# Altium PCB TIDA-01349_PCB.PcbDoc (part 1 of 2) (continued)
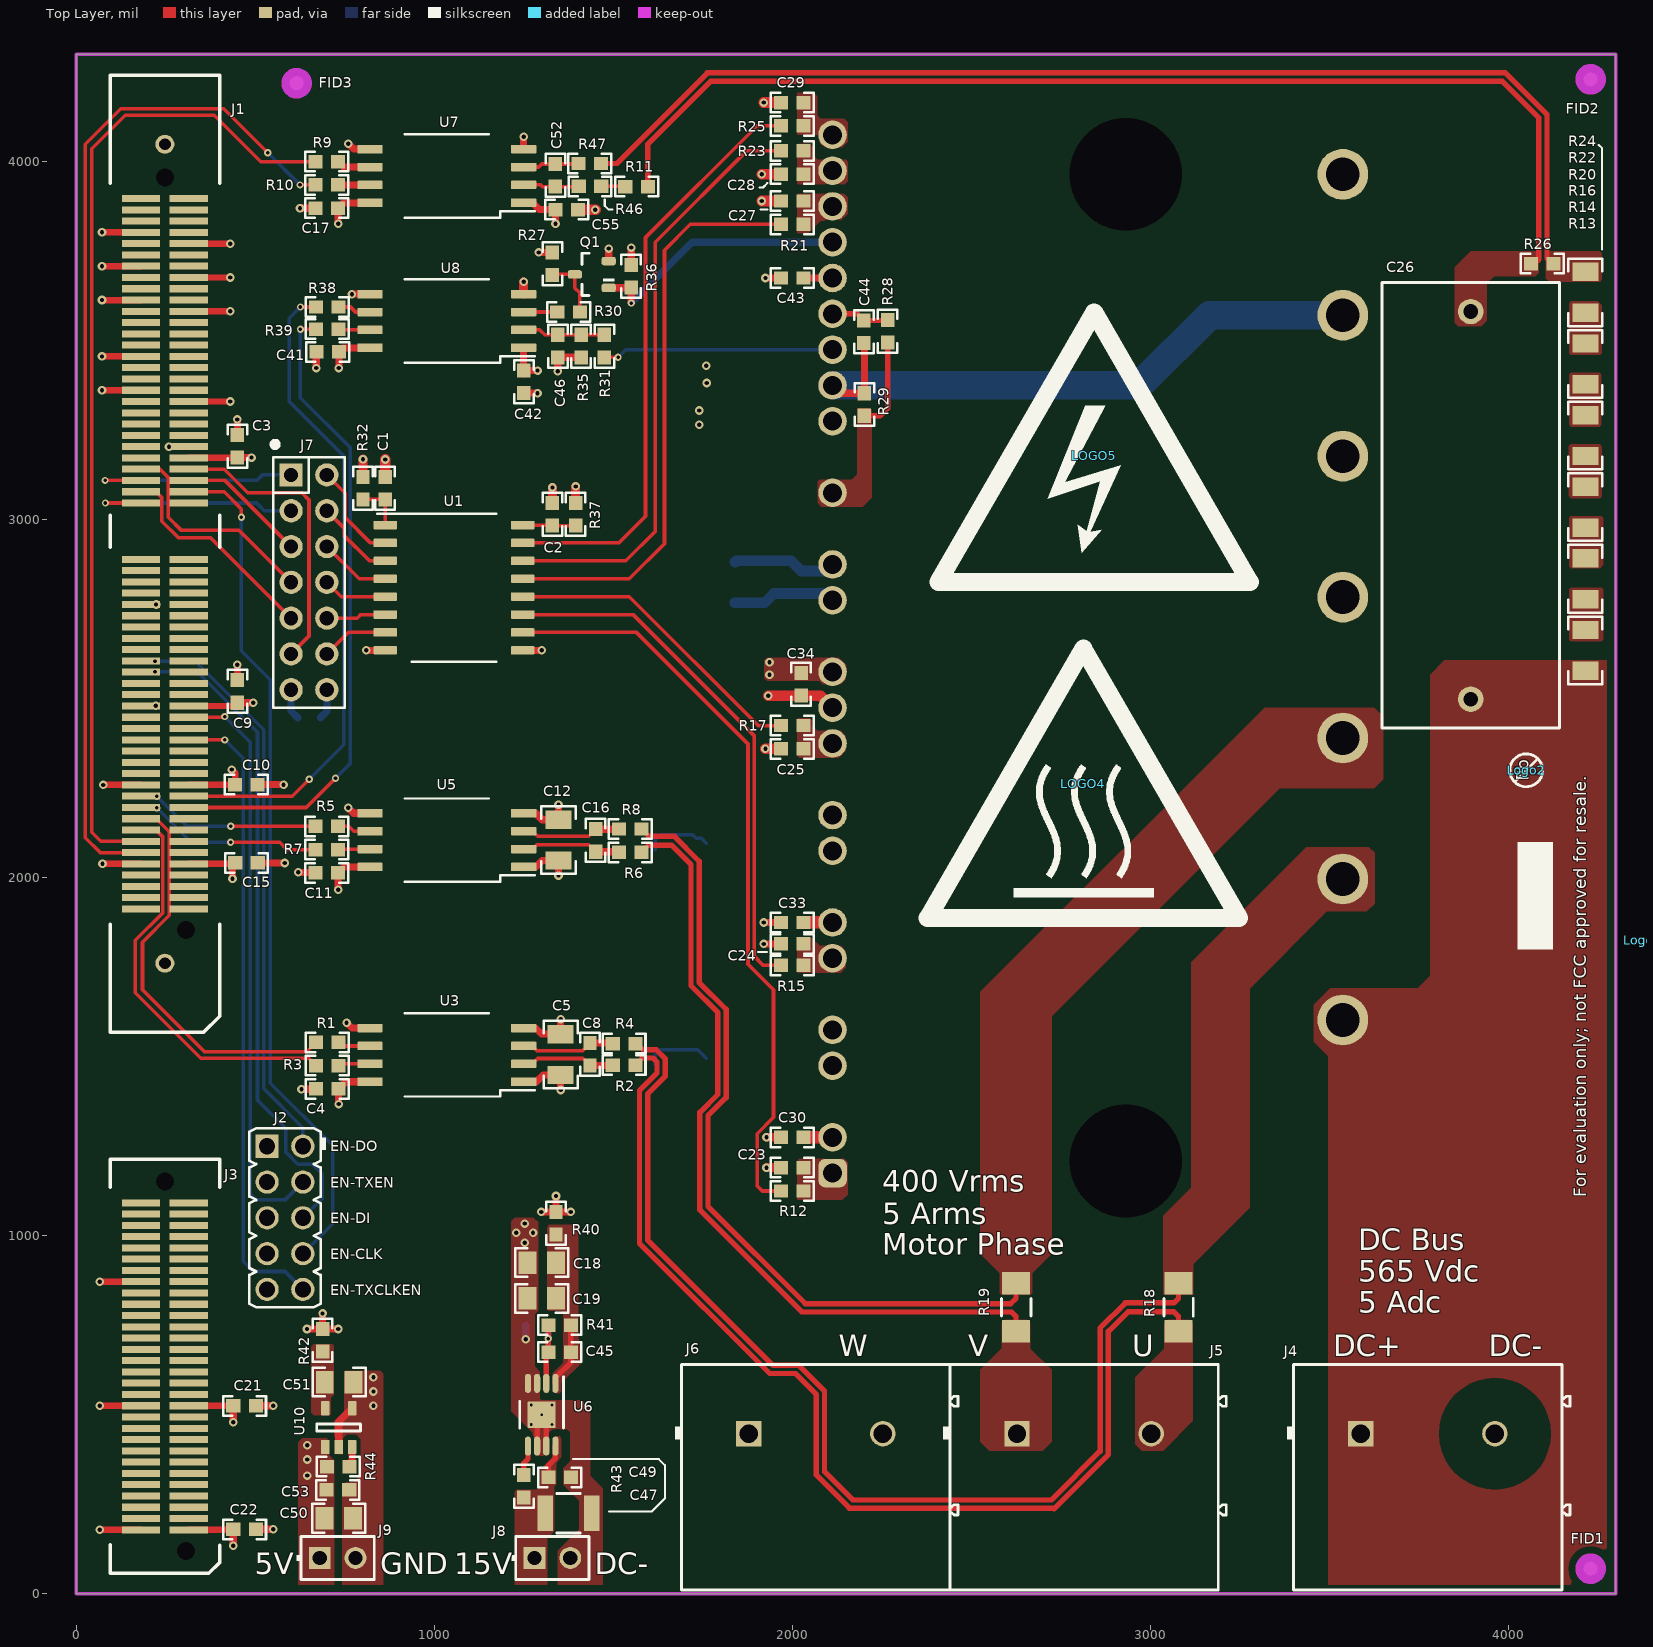
[diagram p0: Top Layer view]
## Classes and differential pairs
component class Header: J2 J7 J8 J9
component class TIDA-01349_EVM_Hardware: FID1 FID2 FID3 FID4 FID5 FID6 Logo2 Logo3 LOGO4 LOGO5 ZZ1 ZZ2 ZZ3 ZZ4
component class FiducialMark: FID1 FID2 FID3 FID4 FID5 FID6
component class AssemblyNote: ZZ1 ZZ2 ZZ3 ZZ4
component class TIDA-01349_MCU_Supply_PWM_Temp: C1 C2 C3 C9 C10 C15 C18 C19 C21 C22 C41 C42 C45 C46 C47 C49 C50 C51 C53 C56 J1 J2 J3 J7 J8 J9 Q1 R27 R30 R31 R32 R35 R36 R37 R38 R39 R40 R41 R42 R43 R44 R45 U1 U6 U8 U10
component class TIDA-01349_Inverter_VISense: C4 C5 C6 C7 C8 C11 C12 C13 C14 C16 C17 C23 C24 C25 C26 C27 C28 C29 C30 C31 C32 C33 C34 C35 C36 C37 C38 C39 C40 C43 C44 C52 C55 D1 D2 D3 D4 J4 J5 J6 R1 R2 R3 R4 R5 R6 R7 R8 R9 R10 R11 R12 R13 R14 R15 R16 R17 R18 R19 R20 R21 R22 R23 R24 R25 R26 R28 R29 R46 R47 U2 U3 U4 U5 U7 U9
net class DC_BUS_NEG: 5V_ISO DC- FAULT MOD_TEMP NetC2_1 NetC18_1 NetC23_1 NetC24_1 NetC25_1 NetC27_1 NetC28_1 NetC29_1 NetC43_2 NetC44_1 NetC45_2 NetC46_1 NetC52_1 NetC52_2 NetQ1_3 NetR11_2 NetR28_2 NetR30_1 P15V PWM_U_B_IPM PWM_U_T_IPM PWM_V_B_IPM PWM_V_T_IPM PWM_W_B_IPM PWM_W_T_IPM V_DC_bus
net class PHASE_U: 5V_PH_U GND_UT I_PH_U NetC8_1 NetC8_2 PH_U VCC_PH_U
net class PHASE_V: 5V_PH_V GND_VT I_PH_V NetC16_1 NetC16_2 PH_V VCC_PH_V
net class DC_BUS_POS: DC+
net class PHASE_W: NetC31_1 NetC31_2 PH_W
net class PWR: 3V3 5V 5V_ISO 5V_PH_U 5V_PH_V DC+ DC- GND GND_UT GND_VT I_PH_U P15V

## Components (designator, comment, footprint, x,y, rotation, side; value= is the part's Value field where it differs from the comment)
C1 "C0603C104K5RACTU" 0603 863,3088 r90 top value=0.1uF
C2 "C0603C104K5RACTU" 0603 1330,3015 r90 top value=0.1uF
C3 "C0603C104K5RACTU" 0603 450,3205 r90 top value=0.1uF
C4 "C0603C104K5RACTU" 0603 701.3,1410 r180 top value=0.1uF
C5 "C1206C104K5RACTU" 1206 1353,1506 r270 top value=0.1uF
C6 "C2012X7R1E475K125AB" 0805_HV 1535,1525 r90 bottom value=4.7uF
C7 "C0603C104K5RACTU" 0603 1760,1525 r270 bottom value=0.1uF
C8 "C0603C472K5RACTU" 0603 1435,1506.5 r90 top value=4700pF
C9 "C0603C104K5RACTU" 0603 450,2520.28 r90 top value=0.1uF
C10 "C0603C104K5RACTU" 0603 475,2260 r0 top value=0.1uF
C11 "C0603C104K5RACTU" 0603 700,2013.54 r180 top value=0.1uF
C12 "C1206C104K5RACTU" 1206 1347,2105 r270 top value=0.1uF
C13 "C2012X7R1E475K125AB" 0805_HV 1535,2127.68 r90 bottom value=4.7uF
C14 "C0603C104K5RACTU" 0603 1760,2127.68 r270 bottom value=0.1uF
C15 "C0603C104K5RACTU" 0603 475.49,2041.39 r0 top value=0.1uF
C16 "C0603C472K5RACTU" 0603 1451,2104 r90 top value=4700pF
C17 "C0603C104K5RACTU" 0603 700,3870 r180 top value=0.1uF
C18 "C2012X7R1E475K125AB" 0805_HV 1300,925 r180 top value=4.7uF
C19 "C2012X7R1E475K125AB" 0805_HV 1300,825 r180 top value=4.7uF
C21 "C0603C104K5RACTU" 0603 470,525 r0 top value=0.1uF
C22 "C0603C104K5RACTU" 0603 470,180 r0 top value=0.1uF
C23 "C0603C102J5GACTU" 0603 2000,1190 r180 top value=1000pF
C24 "C0603C102J5GACTU" 0603 2000,1815 r180 top value=1000pF
C25 "C0603C102J5GACTU" 0603 2000,2360 r180 top value=1000pF
C26 "B32774D0205K000" B32774_3150x2150x1250 3895,3040 r90 top value=2uF
C27 "C0603C102J5GACTU" 0603 2000,3890 r180 top value=1000pF
C28 "C0603C102J5GACTU" 0603 2000,3965 r180 top value=1000pF
C29 "C0603C102J5GACTU" 0603 2000,4165 r180 top value=1000pF
C30 "C0603C104K5RACTU" 0603 2000,1275 r180 top value=0.1uF
C31 "UMK316B7225KL-T" 1206 1840,2825 r90 bottom value=2.2uF
C32 "C0603C104K5RACTU" 0603 2025,2825 r90 bottom value=0.1uF
C33 "C0603C104K5RACTU" 0603 2000,1875 r180 top value=0.1uF
C34 "C0603C104K5RACTU" 0603 2025,2540 r90 top value=0.1uF
C35 "UMK316B7225KL-T" 1206 1846,2133.68 r90 bottom value=2.2uF
C36 "C0603C104K5RACTU" 0603 2025,2127.69 r90 bottom value=0.1uF
C37 "UMK316B7225KL-T" 1206 1840,3340 r90 bottom value=2.2uF
C38 "C0603C104K5RACTU" 0603 2025,3325 r90 bottom value=0.1uF
C39 "UMK316B7225KL-T" 1206 1846,1531 r90 bottom value=2.2uF
C40 "C0603C104K5RACTU" 0603 2025,1525 r90 bottom value=0.1uF
C41 "C0603C104K5RACTU" 0603 702,3469 r180 top value=0.1uF
C42 "C0603C104K5RACTU" 0603 1250,3385 r270 top value=0.1uF
C43 "C0603C223K5RACTU" 0603 2000,3675 r0 top value=0.022uF
C44 "C0603C181J5GACTU" 0603 2200,3525 r270 top value=180pF
C45 "GRM188R71H103KA01D" 0603 1350,675 r180 top value=0.01uF
C46 "C0603C104K5RACTU" 0603 1345,3485 r270 top value=0.1uF
C47 "C3225X7R1H106M250AC" 1210_280 1375,225 r0 top value=10uF
C49 "C0603C104K5RACTU" 0603 1350,325 r0 top value=0.1uF
C50 "C2012X7R1E475K125AB" 0805_HV 733,211 r0 top value=4.7uF
C51 "C2012X7R1E475K125AB" 0805_HV 734,591 r0 top value=4.7uF
C52 "C0603C472K5RACTU" 0603 1338,3962 r90 top value=4700pF
C53 "C0603C104K5RACTU" 0603 731,290 r0 top value=0.1uF
C55 "C0603C104K5RACTU" 0603 1370,3866 r180 top value=0.1uF
C56 "C0603C104K5RACTU" 0603 650.3,2446.69 r180 bottom value=0.1uF
D1 "DFLZ20-7" PowerDI123 1940,2835 r90 bottom value=20V
D2 "DFLZ20-7" PowerDI123 1947,2145.69 r90 bottom value=20V
D3 "DFLZ20-7" PowerDI123 1940,3355 r90 bottom value=20V
D4 "DFLZ20-7" PowerDI123 1947,1543 r90 bottom value=20V
FID1 "Fiducial" Fiducial10-20 4230,70 r0 top
FID2 "Fiducial" Fiducial10-20 4230,4230 r0 top
FID3 "Fiducial" Fiducial10-20 615.68,4219 r0 top
FID4 "Fiducial" Fiducial10-20 4230,70 r90 bottom
FID5 "Fiducial" Fiducial10-20 4230,4230 r90 bottom
FID6 "Fiducial" Fiducial10-20 615.68,4219 r90 bottom
J1 "HSEC8-160-01-L-DV-A-BL" controlCARD-120HSEC 246.82,2977.39 r270 top
J2 "61301021121" WURTH_61301021121 582.98,1050 r270 top
J3 "HSEC8-130-01-L-DV-A" controlCARD-180HSEC-60pinAddon 247.69,635.33 r270 top
J4 "1902547" Phoenix_1902547 3775,325 r0 top
J5 "1902547" Phoenix_1902547 2815,325 r0 top
J6 "1902547" Phoenix_1902547 2065.39,325 r0 top
J7 "PEC07DAAN" CONN_PEC07DAAN 650,2825 r270 top
J8 "PEC01DAAN" Sullins_PxC01DAAN 1330,100 r0 top
J9 "PEC01DAAN" Sullins_PxC01DAAN 730,100 r0 top
Logo2 "Pb-Free Symbol" Pb-Free_Overlay_Small 4050,2300 r90 top
Logo3 "FCC disclaimer" FCC_disclaimer 4375,1825 r90 top
LOGO4 "CAUTION HOT SURFACE" IEC_HotSurface_Large 2813,2262 r0 top
LOGO5 "DANGER HIGH VOLTAGE" IEC_HighVoltage_Large 2843,3178 r0 top
Q1 "MGSF1N02LT1G" SOT-23 1440,3685 r180 top value=20V
R1 "RC0603FR-0722RL" 0603 701.3,1540 r180 top value=22.0
R2 "RC0603FR-0722RL" 0603 1530,1476.5 r180 top value=22.0
R3 "RC0603FR-0722RL" 0603 701.3,1475 r180 top value=22.0
R4 "RC0603FR-0722RL" 0603 1530,1536.5 r180 top value=22.0
R5 "RC0603FR-0722RL" 0603 700,2143.54 r180 top value=22.0
R6 "RC0603FR-0722RL" 0603 1547.5,2071 r180 top value=22.0
R7 "RC0603FR-0722RL" 0603 700,2078.54 r180 top value=22.0
R8 "RC0603FR-0722RL" 0603 1547.5,2136 r180 top value=22.0
R9 "RC0603FR-0722RL" 0603 700,4000 r180 top value=22.0
R10 "RC0603FR-0722RL" 0603 700,3935 r180 top value=22.0
R11 "CRCW0603187RFKEA" 0603 1565,3930 r180 top value=187
R12 "CRCW0603100RFKEA" 0603 2000,1125 r0 top value=100
R13 "CRCW1206100KFKEA" 1206 4215,2635 r270 top value=100k
R14 "CRCW1206100KFKEA" 1206 4215,2835 r270 top value=100k
R15 "CRCW0603100RFKEA" 0603 2000,1755 r0 top value=100
R16 "CRCW1206100KFKEA" 1206 4215,3035 r270 top value=100k
R17 "CRCW0603100RFKEA" 0603 2000,2425 r0 top value=100
R18 "CSNL1206FT5L00" CSNL1206 3078.74,800 r270 top value=0.005
R19 "CSNL1206FT5L00" CSNL1206 2625,800 r270 top value=0.005
R20 "CRCW1206100KFKEA" 1206 4215,3235 r270 top value=100k
R21 "CRCW0603100RFKEA" 0603 2000,3825 r0 top value=100
R22 "CRCW1206100KFKEA" 1206 4215,3435 r270 top value=100k
R23 "CRCW0603100RFKEA" 0603 2000,4030 r0 top value=100
R24 "CRCW1206100KFKEA" 1206 4215,3635 r270 top value=100k
R25 "CRCW0603100RFKEA" 0603 2000,4100 r0 top value=100
R26 "CRCW0603187RFKEA" 0603 4095,3715 r0 top value=187
R27 "CRCW060310K0FKEA" 0603 1330,3715 r270 top value=10.0k
R28 "CRCW060310K0FKEA" 0603 2266.3,3526.69 r270 top value=10.0k
R29 "CRCW0603100RFKEA" 0603 2201.3,3321.69 r90 top value=100
R30 "CRCW06030000Z0EA" 0603 1375,3580 r0 top value=0
R31 "RC0603FR-074K42L" 0603 1475,3485 r270 top value=4.42k
R32 "CRCW06030000Z0EA" 0603 801,3088 r90 top value=0
R35 "CRCW0603402RFKEA" 0603 1410,3485 r90 top value=402
R36 "CRCW060310K0FKEA" 0603 1550,3680 r90 top value=10.0k
R37 "CRCW06030000Z0EA" 0603 1395,3015 r90 top value=0
R38 "RC0603FR-0722RL" 0603 701,3594 r180 top value=22.0
R39 "RC0603FR-0722RL" 0603 701,3532 r180 top value=22.0
R40 "CRCW06030000Z0EA" 0603 1340,1035 r90 top value=0
R41 "RC0603FR-0732K4L" 0603 1350,750 r0 top value=32.4k
R42 "CRCW06030000Z0EA" 0603 688,708 r90 top value=0
R43 "CRCW060310K0FKEA" 0603 1250,300 r270 top value=10.0k
R44 "CRCW060310K0FKEA" 0603 732,355 r180 top value=10.0k
R45 "CRCW060310K0FKEA" 0603 1287.01,750 r0 bottom value=10.0k
R46 "RC0603FR-0722RL" 0603 1435,3931 r180 top value=22.0
R47 "RC0603FR-0722RL" 0603 1434,3995 r180 top value=22.0
U1 "ISO7760FDWR" DW0016B_HV 1055,2810 r0 top
U2 "TLV76050DBZR" DBZ0003A_N 1655,1525 r90 bottom
U3 "AMC1303M0520DWVR" DWV0008A 1035,1505 r180 top
U4 "TLV76050DBZR" DBZ0003A_N 1655,2125.69 r90 bottom
U5 "AMC1303M0520DWVR" DWV0008A 1035,2105 r180 top
U6 "TPS7A4201DGNR" DGN0008B_N 1300,500 r270 top
U7 "AMC1303M2520DWVR" DWV0008A 1035,3960 r180 top
U8 "AMC1303M2520DWVR" DWV0008A 1035,3555 r180 top
U9 "PSS15SA2FT" PSS15SA2FT 2825,2625 r0 bottom
U10 "TPS70633DBVR" DBV0005A_N 733,464 r90 top
ZZ1 "This Assembly Note is for PCB labels only" AssemblyNoteLabel 260,6638 r0 top
ZZ2 "These assemblies are ESD sensitive, ESD precautions shall be observed." AssemblyNote 260,6529.11 r0 top
ZZ3 "These assemblies must be clean and free from flux and all contaminants. Use of no clean flux is not acceptable." AssemblyNote 260,6440.56 r0 top
ZZ4 "These assemblies must comply with workmanship standards IPC-A-610 Class 2, unless otherwise specified." AssemblyNote 260,6352 r0 top

## Footprints (in the part's own frame and the unit in brackets; to place one, negate y for a bottom-side part, rotate by r counter-clockwise, add the part's x,y. Pads: shape width x height; smd on the part's side, far side on the other; paste and mask are expansions set on the pad)
0603 [mm] "0603 from SM-752 data"
  rect 1x0.95 smd: 1(-0.8,0) 2(0.8,0)
  silkscreen extent -1.52,-0.69 1.52,0.69, body extent -0.87,-0.47 0.87,0.47, height 1
0805_HV [mil] "0805 with 30mil clearance between pads"
  rect 50x63 smd: 1(-40,0) 2(40,0)
  silkscreen extent -74,-40 74,40, body extent -43,-29 43,29, height 57
1206 [mm] "1206 from SM-752 data"
  rect 1.3x1.85 smd: 1(-1.45,0) 2(1.45,0)
  silkscreen extent -2.4,-1.21 2.4,1.21, body extent -1.7,-0.9 1.7,0.9, height 1.35
1210_280 [mm] "SMD, 2-Leads, Body 3.6x2.8mm, Height 2.8mm"
  rect 1.1x2.5 smd: 1(-1.65,0) 2(1.65,0)
  silkscreen extent -0.84,-1.4 0.84,1.4, body extent -1.8,-1.4 1.8,1.4, height 2.8
AssemblyNote [mil] "Assembly Note"
AssemblyNoteLabel [mil] "Assembly Note for PCB Labels"
B32774_3150x2150x1250 [mm] "EPCOS"
  round 1.8 hole 1.05: 1(-13.75,0) 2(13.75,0)
  silkscreen extent -15.8,-6.3 15.8,6.3, body extent -15.75,-6.25 15.75,6.25, height 21.5
CONN_PEC07DAAN [mm] "SULLINS"
  rect 1.65x1.65 hole 1.016: 1(-7.62,-1.27)
  round 1.65 hole 1.016: 2(-7.62,1.27) 3(-5.08,-1.27) 4(-5.08,1.27) 5(-2.54,-1.27) 6(-2.54,1.27) 7(0,-1.27) 8(0,1.27) 9(2.54,-1.27) 10(2.54,1.27) 11(5.08,-1.27) 12(5.08,1.27) 13(7.62,-1.27) 14(7.62,1.27)
  silkscreen extent -9.99,-2.6 8.89,2.54, body extent -8.95,-2.6 8.95,2.6, height 8.38
controlCARD-120HSEC [mm] "Pads are not numbered according to Samtec datasheet."
  rect 0.5x2.724 smd: 1(-23.357,-1.678) 2(-23.357,1.722) 3(-22.557,-1.678) 4(-22.557,1.722) 5(-21.757,-1.678) 6(-21.757,1.722) 7(-20.957,-1.678) 8(-20.957,1.722) 9(-20.157,-1.678) 10(-20.157,1.722) 11(-19.357,-1.678) 12(-19.357,1.722) 13(-18.557,-1.678) 14(-18.557,1.722) 15(-17.757,-1.678) 16(-17.757,1.722) 17(-16.957,-1.678) 18(-16.957,1.722) 19(-16.157,-1.678) 20(-16.157,1.722) 21(-15.357,-1.678) 22(-15.357,1.722) 23(-14.557,-1.678) 24(-14.557,1.722) 25(-13.757,-1.678) 26(-13.757,1.722) 27(-12.957,-1.678) 28(-12.957,1.722) 29(-12.157,-1.678) 30(-12.157,1.722) 31(-11.357,-1.678) 32(-11.357,1.722) 33(-10.557,-1.678) 34(-10.557,1.722) 35(-9.757,-1.678) 36(-9.757,1.722) 37(-8.957,-1.678) 38(-8.957,1.722) 39(-8.157,-1.678) 40(-8.157,1.722) 41(-7.357,-1.678) 42(-7.357,1.722) 43(-6.557,-1.678) 44(-6.557,1.722) 45(-5.757,-1.678) 46(-5.757,1.722) 47(-4.957,-1.678) 48(-4.957,1.722) 49(-4.157,-1.678) 50(-4.157,1.722) 51(-3.357,-1.678) 52(-3.357,1.722) 53(-2.557,-1.678) 54(-2.557,1.722) 55(-1.757,-1.678) 56(-1.757,1.722) 57(2.243,-1.678) 58(2.243,1.722) 59(3.043,-1.678) 60(3.043,1.722) 61(3.843,-1.678) 62(3.843,1.722) 63(4.643,-1.678) 64(4.643,1.722) 65(5.443,-1.678) 66(5.443,1.722) 67(6.243,-1.678) 68(6.243,1.722) 69(7.043,-1.678) 70(7.043,1.722) 71(7.843,-1.678) 72(7.843,1.722) 73(8.643,-1.678) 74(8.643,1.722) 75(9.443,-1.678) 76(9.443,1.722) 77(10.243,-1.678) 78(10.243,1.722) 79(11.043,-1.678) 80(11.043,1.722) 81(11.843,-1.678) 82(11.843,1.722) 83(12.643,-1.678) 84(12.643,1.722) 85(13.443,-1.678) 86(13.443,1.722) 87(14.243,-1.678) 88(14.243,1.722) 89(15.043,-1.678) 90(15.043,1.722) 91(15.843,-1.678) 92(15.843,1.722) 93(16.643,-1.678) 94(16.643,1.722) 95(17.443,-1.678) 96(17.443,1.722) 97(18.243,-1.678) 98(18.243,1.722) 99(19.043,-1.678) 100(19.043,1.722) 101(19.843,-1.678) 102(19.843,1.722) 103(20.643,-1.678) 104(20.643,1.722) 105(21.443,-1.678) 106(21.443,1.722) 107(22.243,-1.678) 108(22.243,1.722) 109(23.043,-1.678) 110(23.043,1.722) 111(23.843,-1.678) 112(23.843,1.722) 113(24.643,-1.678) 114(24.643,1.722) 115(25.443,-1.678) 116(25.443,1.722) 117(26.243,-1.678) 118(26.243,1.722) 119(27.043,-1.678) 120(27.043,1.722)
  round 0.025 hole 1.27 unplated mask+0.762: 181(-24.857,0.022) 182(28.543,1.522)
  round 1.348 hole 0.84: 185(-27.207,0.022) 186(30.893,0.022)
  silkscreen extent -32.11,-3.86 35.8,3.9, body extent -31.75,-3.48 35.3,3.52, height 12.35
controlCARD-180HSEC-60pinAddon [mm] "Pads are not numbered according to datasheet."
  round 0.025 hole 1.27 unplated mask+0.762: 61(-13.1,0) 62(13.1,1.5)
  rect 0.5x2.724 smd: 121(-11.6,-1.7) 122(-11.6,1.7) 123(-10.8,-1.7) 124(-10.8,1.7) 125(-10,-1.7) 126(-10,1.7) 127(-9.2,-1.7) 128(-9.2,1.7) 129(-8.4,-1.7) 130(-8.4,1.7) 131(-7.6,-1.7) 132(-7.6,1.7) 133(-6.8,-1.7) 134(-6.8,1.7) 135(-6,-1.7) 136(-6,1.7) 137(-5.2,-1.7) 138(-5.2,1.7) 139(-4.4,-1.7) 140(-4.4,1.7) 141(-3.6,-1.7) 142(-3.6,1.7) 143(-2.8,-1.7) 144(-2.8,1.7) 145(-2,-1.7) 146(-2,1.7) 147(-1.2,-1.7) 148(-1.2,1.7) 149(-0.4,-1.7) 150(-0.4,1.7) 151(0.4,-1.7) 152(0.4,1.7) 153(1.2,-1.7) 154(1.2,1.7) 155(2,-1.7) 156(2,1.7) 157(2.8,-1.7) 158(2.8,1.7) 159(3.6,-1.7) 160(3.6,1.7) 161(4.4,-1.7) 162(4.4,1.7) 163(5.2,-1.7) 164(5.2,1.7) 165(6,-1.7) 166(6,1.7) 167(6.8,-1.7) 168(6.8,1.7) 169(7.6,-1.7) 170(7.6,1.7) 171(8.4,-1.7) 172(8.4,1.7) 173(9.2,-1.7) 174(9.2,1.7) 175(10,-1.7) 176(10,1.7) 177(10.8,-1.7) 178(10.8,1.7) 179(11.6,-1.7) 180(11.6,1.7)
  silkscreen extent -14.68,-3.88 14.68,3.88, body extent -14.3,-3.5 14.3,3.5, height 7.95
CSNL1206 [mm] "Stackpole Electronics"
  rrect6% 1.6x2 smd: 1(-1.7,0) 2(1.7,0)
  silkscreen extent -0.63,-1.02 0.63,1.05, body extent -1.72,-0.92 1.72,0.92, height 0.9
DBV0005A_N [mm] "SOT23, 5-Leads, Body 2.9x1.6mm, Pitch 0.95mm, Lead Span 2.8mm, IPC Medium Density"
  rrect17% 1x0.6 smd: 1(-1.375,0.95) 2(-1.375,0) 3(-1.375,-0.95) 4(1.375,-0.95) 5(1.375,0.95)
  silkscreen extent -0.25,-1.55 0.25,1.55, body extent -1.42,-1.46 1.42,1.46, height 1.09
DBZ0003A_N [mm] "SOT23, 3-Leads, Body 2.9x1.3mm, Pitch 0.95mm, Lead Span 2.4mm, IPC Medium Density"
  rrect17% 1x0.6 smd: 1(-1.2,0.95) 2(-1.2,-0.95) 3(1.2,0)
  silkscreen extent 0.2,-1.5 0.7,1.5, body extent -1.26,-1.46 1.26,1.46, height 0.98
DGN0008B_N [mm] "TSOP, 8-Leads, Body 3x3mm, Pitch 0.65mm, Thermal Pad 1.92x1.60mm, IPC Medium Density"
  rrect100% 1.35x0.45 smd: 1(-2.225,0.975) 2(-2.225,0.325) 3(-2.225,-0.325) 4(-2.225,-0.975) 5(2.225,-0.975) 6(2.225,-0.325) 7(2.225,0.325) 8(2.225,0.975)
  rrect5% 1.88x1.98 smd: 9(0,0)
  silkscreen extent -2.7,-1.55 0.95,1.55, body extent -2.46,-1.5 2.46,1.5, height 1.1
DW0016B_HV [mm] "High voltage version of DW0016B"
  rrect17% 1.65x0.6 smd: 1(-4.875,4.445) 2(-4.875,3.175) 3(-4.875,1.905) 4(-4.875,0.635) 5(-4.875,-0.635) 6(-4.875,-1.905) 7(-4.875,-3.175) 8(-4.875,-4.445) 9(4.875,-4.445) 10(4.875,-3.175) 11(4.875,-1.905) 12(4.875,-0.635) 13(4.875,0.635) 14(4.875,1.905) 15(4.875,3.175) 16(4.875,4.445)
  silkscreen extent -5.43,-5.25 3,5.25, body extent -5.14,-5.13 5.14,5.13, height 2.5
DWV0008A [mm] "SOIC, 8-Leads, Body 5.95x7.6mm (max), Pitch 1.27mm"
  rrect17% 1.8x0.6 smd: 1(-5.45,1.905) 2(-5.45,0.635) 3(-5.45,-0.635) 4(-5.45,-1.905) 5(5.45,-1.905) 6(5.45,-0.635) 7(5.45,0.635) 8(5.45,1.905)
  silkscreen extent -6.25,-2.95 2.98,2.95, body extent -5.77,-2.92 5.77,2.93, height 2.67
FCC_disclaimer [mil]
Fiducial10-20 [mm]
  round 1 smd mask+0.5: 1(0,0)
  Top Layer keep-out circle w1.178: c0,0 r0.5
IEC_HighVoltage_Large [mil]
  silkscreen extent -435,-352 435,401
IEC_HotSurface_Large [mil]
  silkscreen extent -435,-375 435,378
Pb-Free_Overlay_Small [mil]
  silkscreen extent -46,-46 46,46
Phoenix_1902547 [mm] "TH, 2-Leads, Body 19.04x16mm, Pitch 9.52mm"
  rect 1.8x1.8 hole 1.3: 1(-4.76,3.1)
  round 1.8 hole 1.3: 2(4.76,3.1)
  silkscreen extent -10,-8 10.09,8, body extent -9.52,-8 10.09,8, height 22
PowerDI123 [mm] "Diodes Inc recommended land pattern, document number DS30628 Rev. 6-2"
  rect 2.2x1.4 smd: 1(-1.275,0)
  rect 0.9x1.4 smd: 2(1.275,0)
  silkscreen extent -3.1,-1.09 1.76,1.09, body extent -2.37,-0.96 1.53,0.97, height 1
PSS15SA2FT [mm] "TH, 30-Leads, Body 79x31mm"
  rrect50% 2.025x2.025 hole 1.35: 1(-18.1,36.83)
  round 2.025 hole 1.35: 3(-18.1,34.29) 4(-18.1,29.21) 6(-18.1,26.67) 7(-18.1,21.59) 9(-18.1,19.05) 10(-18.1,13.97) 12(-18.1,11.43) 13(-18.1,6.35) 14(-18.1,3.81) 15(-18.1,1.27) 16(-18.1,-3.81) 18(-18.1,-6.35) 19(-18.1,-11.43) 21(-18.1,-16.51) 22(-18.1,-19.05) 23(-18.1,-21.59) 24(-18.1,-24.13) 25(-18.1,-26.67) 26(-18.1,-29.21) 27(-18.1,-31.75) 28(-18.1,-34.29) 29(-18.1,-36.83)
  round 3.6 hole 2.4: 34(18.1,-34.03) 35(18.1,-24.03) 36(18.1,-14.03) 37(18.1,-4.03) 38(18.1,5.97) 39(18.1,15.97) 40(18.1,25.97)
  silkscreen extent -16,-38.53 15.4,40.47, body extent -18.55,-38.53 18.55,40.47, height 8
SOT-23 [mm] "SOT23, 3-Leads, Body 2.9x1.3mm, Pitch 0.95mm, Lead Span 2.5mm, IPC Medium Density"
  rrect50% 1x0.6 smd: 1(-1.2,0.95) 2(-1.2,-0.95) 3(1.2,0)
  silkscreen extent -1.63,-1.5 0.7,1.5, body extent -1.16,-1.45 1.21,1.45, height 1
Sullins_PxC01DAAN [mm] "Header, 2.54mm, 1x2, TH"
  rect 1.55x1.55 hole 1.016: 1(-1.27,0)
  round 1.55 hole 1.016: 2(1.27,0)
  silkscreen extent -2.9,-1.53 2.61,1.53, body extent -2.61,-1.53 2.61,1.53, height 8.71
WURTH_61301021121 [mm] "Header, 2.54mm, 5x2, TH"
  rect 1.65x1.65 hole 1.15: 1(-5.08,-1.27)
  round 1.65 hole 1.15: 2(-5.08,1.27) 3(-2.54,-1.27) 4(-2.54,1.27) 5(0,-1.27) 6(0,1.27) 7(2.54,-1.27) 8(2.54,1.27) 9(5.08,-1.27) 10(5.08,1.27)
  silkscreen extent -6.35,-2.54 6.35,2.9, body extent -6.35,-2.54 6.35,2.54, height 8.54

## Part data
C1 C2 C3 C4 C7 C9 C10 C11 C14 C15 C17 C21 C22 C30 C32 C33 C34 C36 C38 C40 C41 C42 C46 C49 C53 C55 C56: library part CMP-0006861-2, "CAP, CERM, 0.1 uF, 50 V, +/- 10%, X7R, 0603", Cap_Case=0603, Manufacturer=Kemet, Supplier Part Number 1=399-5089-1-ND, TempCo=X7R, Tolerance_%=10%, Value1=Unknown, Value2=50V, ValueDisplayed=0.1uF, AEC Category=Q200, AEC Qualified=?, Cap_F=100nF, ComponentLink1Description="Datasheet link", ComponentLink1URL=http://www.kemet.com/kemet/web/homepage/kechome.nsf/vapubfiles/F3102_Y5V.pdf/$file/F3102_Y5V.pdf, CompType=Capacitor, LatestRevisionDate=2017-03-09, MountType=SMT, PackageReference=0603, PartNumber=C0603C104K5RACTU, Polarized=N, Published=2008-06-19, Publisher="Texas Instruments", RoHS=Y, SizeArea_mm2=1.28, SizeAreaWB_mm2=4.68, SizeX_mm=1.6, SizeY_mm=0.8, SizeZ_mm=1, Supplier 1=Digi-Key, Supplier 2=Mouser, Supplier 3=Farnell, Supplier Part Number 2=80-C0603C104K5R, Supplier Part Number 3=1288255, TaMax_C=125°C, TaMin_C=-55°C, Technology=Ceramic, U/M=EA, VDC_V=50V
C5 C12: library part CMP-0008586-2, "CAP, CERM, 0.1 uF, 50 V, +/- 10%, X7R, 1206", Cap_Case=1206, Manufacturer=Kemet, Supplier Part Number 1=399-1249-1-ND, TempCo=X7R, Tolerance_%=10%, Value1="0.059 ohm", Value2=50V, ValueDisplayed=0.1uF, AEC Category=Q200, AEC Qualified=?, Cap_F=100nF, ComponentLink1Description="Datasheet link", ComponentLink1URL=http://www.kemet.com/kemet/web/homepage/kechome.nsf/file/Partial%20Copy%20-%20Ceramic%20Surface%20Mount%20Capacitors/$file/F3102_CE.pdf, CompType=Capacitor, ESR_ohm=0.059, IRMS_A=1.2A, LatestRevisionDate=2017-03-09, MountType=SMT, PackageReference=1206, PartNumber=C1206C104K5RACTU, Polarized=N, Published=2008-06-19, Publisher="Texas Instruments", RoHS=Y, SizeArea_mm2=5.12, SizeAreaWB_mm2=10.92, SizeX_mm=3.2, SizeY_mm=1.6, SizeZ_mm=1.35, Supplier 1=Digi-Key, Supplier 2=Newark, Supplier 3=Mouser, Supplier Part Number 2=70K9167, Supplier Part Number 3=80-C1206C104K5R, TaMax_C=125°C, TaMin_C=-55°C, Technology=Ceramic, U/M=EA, VDC_V=50V
C6 C13 C18 C19 C50 C51: library part CMP-0007870-2, "CAP, CERM, 4.7 uF, 25 V, +/- 10%, X7R, 0805", Cap_Case=0805, Manufacturer=TDK, Supplier Part Number 1=445-5972-1-ND, TempCo=X7R, Tolerance_%=10%, Value1=Unknown, Value2=25V, ValueDisplayed=4.7uF, AEC Category=Q200, AEC Grade=N/A, AEC Qualified=N, Cap_F=4.7µF, ComponentLink1Description="Datasheet link", ComponentLink1URL=https://product.tdk.com/info/en/catalog/datasheets/mlcc_commercial_general_en.pdf, CompType=Capacitor, LatestRevisionDate=2017-03-09, MountType=SMT, PackageReference=0805, PartNumber=C2012X7R1E475K125AB, Polarized=N, Published=2008-06-19, Publisher="Texas Instruments", RoHS=Y, SizeArea_mm2=2.5, SizeAreaWB_mm2=6.75, SizeX_mm=2, SizeY_mm=1.25, SizeZ_mm=1.45, Supplier 1=Digi-Key, Supplier 2=Newark, Supplier 3=Mouser, Supplier Part Number 2=04X3287, Supplier Part Number 3=810-C2012X7R1E475K, TaMax_C=125°C, TaMin_C=-55°C, Technology=Ceramic, U/M=EA, VDC_V=25V
C8 C16 C52: library part CMP-0006943-2, "CAP, CERM, 4700 pF, 50 V, +/- 10%, X7R, 0603", Cap_Case=0603, Manufacturer=Kemet, Supplier Part Number 1=399-1087-1-ND, TempCo=X7R, Tolerance_%=10%, Value1=Unknown, Value2=50V, ValueDisplayed=4700pF, AEC Category=Q200, AEC Qualified=?, Cap_F=4.7nF, ComponentLink1Description="Datasheet link", ComponentLink1URL=http://www.kemet.com/kemet/web/homepage/kechome.nsf/vapubfiles/F3102_Y5V.pdf/$file/F3102_Y5V.pdf, CompType=Capacitor, LatestRevisionDate=2017-03-09, MountType=SMT, PackageReference=0603, PartNumber=C0603C472K5RACTU, Polarized=N, Published=2008-06-19, Publisher="Texas Instruments", RoHS=Y, SizeArea_mm2=1.28, SizeAreaWB_mm2=4.68, SizeX_mm=1.6, SizeY_mm=0.8, SizeZ_mm=1, Supplier 1=Digi-Key, Supplier 2=Mouser, Supplier 3=Farnell, Supplier Part Number 2=80-C0603C472K5R, Supplier Part Number 3=1414642, TaMax_C=125°C, TaMin_C=-55°C, Technology=Ceramic, U/M=EA, VDC_V=50V
C23 C24 C25 C27 C28 C29: library part CMP-0006843-2, "CAP, CERM, 1000 pF, 50 V, +/- 5%, C0G/NP0, 0603", Cap_Case=0603, Manufacturer=Kemet, Supplier Part Number 1=399-3293-1-ND, TempCo=C0G/NP0, Tolerance_%=5%, Value1=Unknown, Value2=50V, ValueDisplayed=1000pF, AEC Category=Q200, AEC Qualified=?, Cap_F=1nF, ComponentLink1Description="Datasheet link", ComponentLink1URL=http://www.kemet.com/kemet/web/homepage/kechome.nsf/vapubfiles/F3102_Y5V.pdf/$file/F3102_Y5V.pdf, CompType=Capacitor, LatestRevisionDate=2017-03-09, MountType=SMT, PackageReference=0603, PartNumber=C0603C102J5GACTU, Polarized=N, Published=2008-06-19, Publisher="Texas Instruments", RoHS=Y, SizeArea_mm2=1.28, SizeAreaWB_mm2=4.68, SizeX_mm=1.6, SizeY_mm=0.8, SizeZ_mm=1, Supplier 1=Digi-Key, Supplier 2=Mouser, Supplier 3=Farnell, Supplier Part Number 2=80-C0603C102J5G, Supplier Part Number 3=1414605, TaMax_C=125°C, TaMin_C=-55°C, Technology=Ceramic, U/M=EA, VDC_V=50V
C26: library part CMP-0012356-2, "CAP, Film, 2 uF, 1100 V, +/- 10%, 0.011 ohm, TH", Cap_Case=31.5x21.5x12.5mm, Manufacturer=TDK, Supplier Part Number 1=495-4482-ND, Tolerance_%=10%, Value1="0.011 ohm", Value2=1100V, ValueDisplayed=2uF, AEC Category=Q200, AEC Grade=N/A, AEC Qualified=N, Cap_F=2µF, ComponentLink1Description="Datasheet link", ComponentLink1URL=https://product.tdk.com/search-template/en/documents/data_sheet/20/20/db/fc_2009/MKP_B32774_778.pdf, CompType=Capacitor, ESR_ohm=0.011, IRMS_A=3.5A, LatestRevisionDate=2017-03-09, MountType=TH, PackageReference=31.5x21.5x12.5mm, PartNumber=B32774D0205K000, Polarized=N, Publisher="Texas Instruments", RoHS=Y, Series=B32774, SizeArea_mm2=393.75, SizeAreaWB_mm2=485.75, SizeX_mm=31.5, SizeY_mm=12.5, SizeZ_mm=21.5, Supplier 1=Digi-Key, Supplier 2=Newark, Supplier 3=Mouser, Supplier Part Number 2=42Y0105, Supplier Part Number 3=871-B32774D205K, TaMax_C=105°C, TaMin_C=-40°C, Technology=Film, U/M=EA, VDC_V=1.1kV
C31 C35 C37 C39: library part CMP-0009028-2, "CAP, CERM, 2.2 uF, 50 V, +/- 10%, X7R, 1206", Cap_Case=1206, Manufacturer="Taiyo Yuden", Supplier Part Number 1=587-2911-1-ND, TempCo=X7R, Tolerance_%=10%, Value1=Unknown, Value2=50V, ValueDisplayed=2.2uF, AEC Category=Q200, AEC Qualified=?, Cap_F=2.2µF, ComponentLink1Description="Datasheet link", ComponentLink1URL=http://www.yuden.co.jp/or/product/category/capacitor/UMK316B7225KL-T.pdf, CompType=Capacitor, LatestRevisionDate=2017-03-09, MountType=SMT, PackageReference=1206, PartNumber=UMK316B7225KL-T, Polarized=N, Published=2008-06-19, Publisher="Texas Instruments", RoHS=Y, SizeArea_mm2=5.12, SizeAreaWB_mm2=10.92, SizeX_mm=3.2, SizeY_mm=1.6, SizeZ_mm=1.35, Supplier 1=Digi-Key, Supplier 2=Newark, Supplier 3=Mouser, Supplier Part Number 2=47T1713, Supplier Part Number 3=963-UMK316B7225KL-T, TaMax_C=125°C, TaMin_C=-55°C, Technology=Ceramic, U/M=EA, VDC_V=50V
C43: library part CMP-0006901-2, "CAP, CERM, 0.022 uF, 50 V, +/- 10%, X7R, 0603", Cap_Case=0603, Manufacturer=Kemet, Supplier Part Number 1=399-1280-1-ND, TempCo=X7R, Tolerance_%=10%, Value1=Unknown, Value2=50V, ValueDisplayed=0.022uF, AEC Category=Q200, AEC Qualified=?, Cap_F=22nF, ComponentLink1Description="Datasheet link", ComponentLink1URL=http://www.kemet.com/kemet/web/homepage/kechome.nsf/vapubfiles/F3102_Y5V.pdf/$file/F3102_Y5V.pdf, CompType=Capacitor, LatestRevisionDate=2017-03-09, MountType=SMT, PackageReference=0603, PartNumber=C0603C223K5RACTU, Polarized=N, Published=2008-06-19, Publisher="Texas Instruments", RoHS=Y, SizeArea_mm2=1.28, SizeAreaWB_mm2=4.68, SizeX_mm=1.6, SizeY_mm=0.8, SizeZ_mm=1, Supplier 1=Digi-Key, Supplier 2=Mouser, Supplier 3=Farnell, Supplier Part Number 2=80-C0603C223K5R, Supplier Part Number 3=1414625, TaMax_C=125°C, TaMin_C=-55°C, Technology=Ceramic, U/M=EA, VDC_V=50V